# Altium PCB VCU_LAYOUT.PcbDoc (part 2 of 3) (continued)
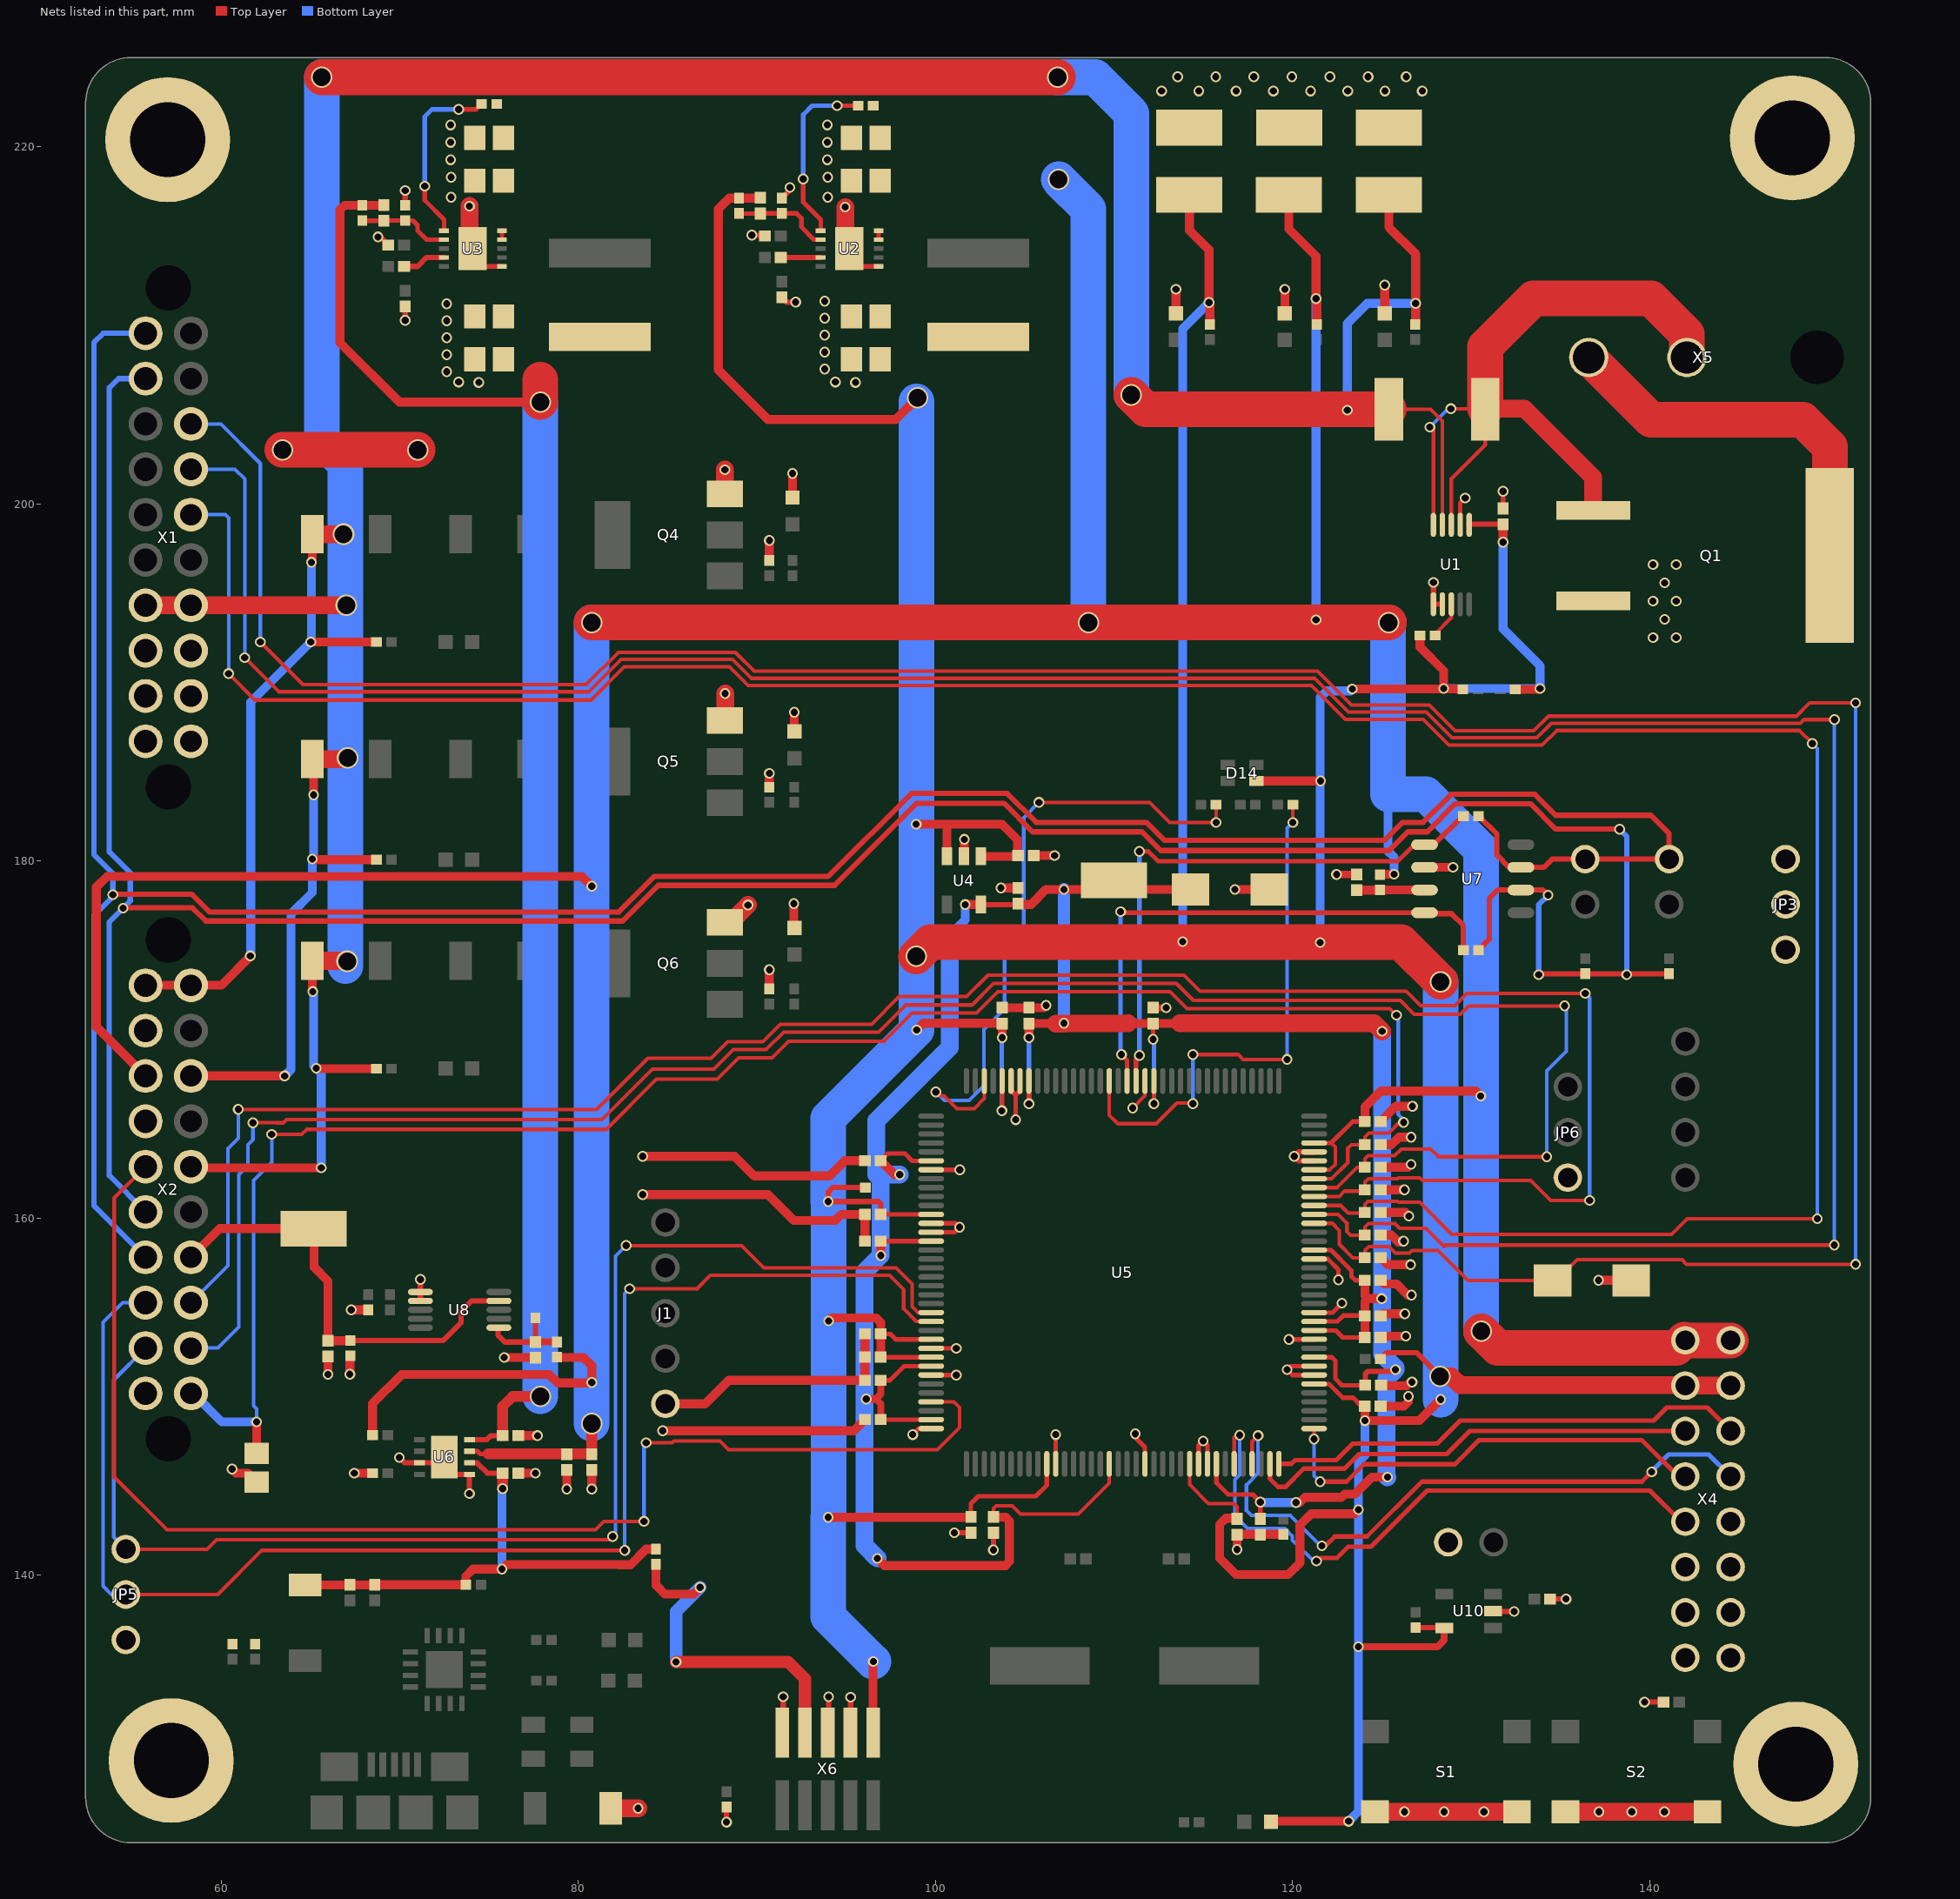
[diagram p2: the nets of this part, all layers, seen from the top]
## Nets (pads, with @x,y where several pads share a name; then routed paths per layer and width w, separated by ;. In a path a pad name is that pad's centre, name@x,y a point inside that pad or via, vN(x,y) a via of type N, cw(c..) or ccw(c..) an arc to the next point about the centre after c; other vN are vias at no path point)
12V_GND: Q1.4 X5.2 | length 21.7
  Top Layer w2: X5.2@136.6,208.2 140.1,204.7 148.6,204.7 150.1,203.2 Q1.4@150.1,197.1
12V_IN: Q1.1 R5.1 U1.8 U1.10 X5.1 | length 43.9
  Top Layer w0.2: v1(127.7,204.3) 127.9,204.1 U1.10@127.9,198.825 ; v1(128.875,205.325) 130.79,205.325 130.8,205.335 130.8,203.3 128.9,201.4 U1.8@128.9,198.825
  Top Layer w1: R5.1@130.8,205.335 132.99,205.335 136.85,201.475 Q1.1@136.85,199.64
  Top Layer w2: R5.1@130.8,205.335 130.8,208.8 133.5,211.5 140.1,211.5 142.1,209.5 X5.1@142.1,208.2
  Bottom Layer w0.2: v1(127.7,204.3) 128.735,205.335 128.745,205.325 v1(128.875,205.325)
+1V2: C5.2 C6.2 C7.2 C8.2 C9.2 C10.2 C11.2 C12.2 C13.2 C14.2 C15.2 C16.2 C17.2 D15.1 TP5.1 U4.5 U5.17 U5.29 U5.45 U5.48 U5.49 U5.57 U5.87 U5.101 U5.114 U5.123 U5.137 U5.143 | length 188.1
  Top Layer w0.2: C12.2@103.25,143.24 103.25,143.725 103.4,143.875 104.3,143.875 104.775,143.4 108,143.4 109.74,145.14 U5.17@109.74,146.22 ; C17.2@104.49,177.55 C17.2@104.6,177.66
  Top Layer w0.254: C7.2@96.94,148.7 96.945,148.695 U5.143@99.765,148.695 ; C6.2@96.94,150.9 97.45,150.9 98.245,151.695 U5.137@99.765,151.695 ; C10.2@96.94,158.7 96.945,158.695 U5.123@99.765,158.695 ; C8.2@96.94,163.2 97.34,163.6 98.3,163.6 98.705,163.195 U5.114@99.765,163.195 ; v1(105.24,166.39) U5.101@105.24,167.67 ; v1(112.2,170) C14.2@112.2,170.89 ; v1(112.24,166.4) U5.87@112.24,167.67 ; U5.29@115.74,146.22 115.74,145.16 116.4,144.5 117.775,144.5 v1(118.2,144.075) C16.2@118.2,143.24 ; U5.45@121.215,152.195 122.205,152.195 122.4,152 122.4,151 122.775,150.625 C9.2@124.085,150.625 ; U5.48@121.215,153.695 122.43,153.695 122.825,153.3 C5.2@124.06,153.3 ; U5.49@121.215,154.195 122.52,154.195 122.85,154.525 124.035,154.525 C13.2@124.06,154.5 ; U5.57@121.215,158.195 122.155,158.195 123.312,157.037 123.312,156.713 123.525,156.5 C11.2@124.06,156.5
  Top Layer w0.3: U4.5@102.55,177.55 C17.2@104.49,177.55 ; C9.2@124.085,150.625 124.085,151.26 124.225,151.4 125.675,151.4 v1(125.775,151.5)
  Top Layer w0.4: v1(96.125,149.85) 96.65,149.85 ; C7.2@96.94,148.7 96.94,149.585 96.675,149.85 96.65,149.85 ; C6.2@96.94,150.9 96.94,150.14 96.65,149.85
  Top Layer w0.5: v1(96.75,140.925) 97.15,140.525 103.925,140.525 104.15,140.75 104.15,143.015 103.925,143.24 C12.2@103.25,143.24 ; v1(96.94,157.89) C10.2@96.94,158.7 ; C8.2@96.94,163.2 97.715,162.425 v1(98,162.425) ; v1(101.675,177.55) U4.5@102.55,177.55 ; C17.2@104.6,177.56 105.36,177.56 106.2,178.4 v1(107.2,178.4) D15.1@114.3,178.4 ; v1(105.24,170.1) 105.24,170.5 ; C15.2@105.24,170.89 106.76,170.89 ; 110.8,170.899 110.809,170.89 C14.2@112.2,170.89 113.69,170.89 113.7,170.9 ; C5.2@124.06,153.3 C13.2@124.06,154.5 124.06,155.31 124.225,155.475 ; C11.2@124.06,156.5 124.06,155.64 124.225,155.475 ; v1(125,155.475) 124.225,155.475 ; v1(125.325,145.475) 124.45,145.475 123.5,144.525 122.925,144.525 122.75,144.35 120.7,144.35 v1@120.425,144.075 ; v1@120.425,144.075 120.4,144.05 v1(120.2,144.05) 120.225,144.075 v1@120.425,144.075
  Top Layer w1: 106.76,170.89 107.2,170.891 110.8,170.899 ; 113.7,170.9 124.575,170.9 v1(125.025,170.45)
  Bottom Layer w0.254: v1(105.24,166.39) v1(105.24,170.1) ; v1(112.24,166.4) v1@112.24,169.96
  Bottom Layer w0.5: 100.8,175.825 101.675,176.7 v1(101.675,177.55) ; v1(118.2,144.075) 118.225,144.05 v1(120.2,144.05)
  Bottom Layer w0.7: v1(107.2,170.9) v1(107.2,178.4)
  Bottom Layer w1: v1(96.75,140.925) 96.025,141.65 96.025,156.975 v1(96.94,157.89) 96.94,162.185 96.7,162.425 ; v1(98,162.425) 96.7,162.425 ; 100.8,175.825 100.8,169.55 96.7,165.45 96.7,162.425 ; v1(125.025,170.45) 125.025,152.35 125.775,151.6 v1(125.775,151.5) 125.275,151 125.275,145.525 v1(125.325,145.475)
+3V3: C1.2 C2.2 C19.2 C20.2 C21.2 C22.2 C23.2 C24.2 C37.2 C46.2 C47.2 C50.2 D4.1 D14.4 L1.2 R3.2 R4.2 R6.2 R7.2 R16.2 R17.2 R18.2 R32.2 R51.2 TP6.1 U1.6 U4.1 U4.3 U5.10 U5.26 U5.42 U5.104 U5.120 U5.134 U5.136 U10.5 X4.2 X4.10 X6.1 | length 387.8
  Top Layer w0.2: U5.26@114.24,146.22 114.24,145.06 115.3,144 116.725,144 116.9,143.825 C22.2@116.9,143.14
  Top Layer w0.254: C19.2@96.94,152.2 96.945,152.195 U5.136@99.765,152.195 ; C21.2@96.94,153.5 97.475,153.5 97.78,153.195 U5.134@99.765,153.195 ; C24.2@96.945,160.195 U5.120@99.765,160.195 ; C37.2@101.985,143.225 101.985,143.985 102.4,144.4 105.625,144.4 106.24,145.015 U5.10@106.24,146.22 ; v1(103.725,166) 103.74,166.015 U5.104@103.74,167.67 ; U5.42@121.215,150.695 122.055,150.695 122.825,149.925 123.4,149.925 C20.2@123.875,149.45
  Top Layer w0.3: R17.2@96.075,161.7 94.25,161.7 94,161.45 v1(94,160.913) 96.813,160.913 96.94,160.785 C24.2@96.94,160.2 C24.2@96.945,160.195 ; C20.2@123.875,149.45 C20.2@124.06,149.45 ; R16.2@124.925,152.1 125.275,152.45 126.95,152.45 v2(128.275,151.125) ; R51.2@126.9,137.05 128.475,137.05 U10.5@128.5,137.025 ; U1.6@129.9,198.825 129.935,198.86 C1.2@131.8,198.86
  Top Layer w0.4: v1(123.7,135.975) 128.125,135.975 128.5,136.35 U10.5@128.5,137.025
  Top Layer w0.5: C50.2@90.2,217.14 90.185,217.125 R32.2@89,217.125 88.45,217.125 87.85,216.525 87.85,207.5 90.625,204.725 97.775,204.725 v2(99,205.95) ; v1(94,143.225) C37.2@101.985,143.225 ; v1(94.025,154.225) 94.2,154.4 96.675,154.4 96.94,154.135 C21.2@96.94,153.5 C19.2@96.94,152.2 ; X6.1@96.51,131.16 96.51,135.135 v1(96.525,135.15) ; v1(98.925,182.05) 100.6,182.05 ; v1(98.95,170.525) 99.325,170.9 103.73,170.9 C23.2@103.74,170.89 103.74,170.49 v1(103.74,170.1) ; U4.3@100.65,180.25 100.65,182 100.6,182.05 ; U4.1@102.55,180.25 104.59,180.25 104.6,180.26 104.6,181.175 103.725,182.05 100.6,182.05 ; TP6.1@114.227,217.3 114.227,215.323 115.325,214.225 v1(115.325,211.275) 115.375,211.225 R3.2@115.375,210.05 ; C22.2@116.85,143.19 116.835,143.175 116.275,143.175 115.925,142.825 115.925,140.925 116.825,140.025 119.775,140.025 120.425,140.675 120.425,142.8 121.05,143.425 123.475,143.425 v1(123.7,143.65) ; D14.4@117.975,184.475 v1(121.575,184.475) ; D4.1@118.8,126.175 118.825,126.2 v1(123.15,126.2) ; v1(123.35,189.625) 129.525,189.625 R7.2@129.55,189.6 ; C20.2@124.06,149.45 v1(124.06,148.64) 126.46,148.64 126.45,148.65 127.125,148.65 v1(128.3,149.825) ; R4.2@127.15,192.625 127.15,191.975 128.475,190.65 v1(128.475,189.65) ; v1(131.8,197.85) C1.2@131.8,198.86 ; R6.2@132.475,189.6 133.825,189.6 v1(133.875,189.65)
  Top Layer w1: v2(128.275,151.125) 128.9,151.125 129.385,150.64 X4.2@141.96,150.64 ; X4.2@142.01,150.6 X4.10@144.55,150.6
  Top Layer w2: v2(98.925,174.65) 99.725,175.45 126.075,175.45 v2(128.3,173.225)
  Bottom Layer w0.254: v1(103.725,166) 103.725,170.015 103.775,170.065 v1(103.74,170.1)
  Bottom Layer w0.5: v1(113.85,175.475) 113.85,209.8 v1(115.325,211.275) ; v1(121.55,175.425) 121.55,189.15 121.925,189.525 123.25,189.525 v1(123.35,189.625) ; v1(123.15,126.2) 123.7,126.75 v1(123.7,135.975) v1(123.7,143.65) 123.7,146.325 124.06,146.685 v1(124.06,148.64) ; v1(128.475,189.65) v1(133.875,189.65) 133.875,190.925 131.8,193 v1(131.8,197.85)
  Bottom Layer w2: v1(96.525,135.15) 96.5,135.15 94,137.65 v1(94,143.225) 94.025,143.25 v1(94.025,154.225) 94.025,160.887 v1(94,160.913) 94,165.575 v1(98.95,170.525) v2@98.95,205.725 ; v1(128.3,149.825) v2(128.3,173.225)
+5V: C3.2 C4.2 C25.2 C43.2 C44.2 R2.2 R10.2 R21.1 R31.2 R42.2 TP2.1 U2.9 U2.10 U5.66 U5.69 U6.7 X1.9 X1.19 X2.13 X4.1 X4.9 | length 284.3
  Top Layer w0.2: U5.66@121.215,162.695 122.095,162.695 122.4,163 122.4,163.965 122.17,164.195
  Top Layer w0.254: U6.7@73.9,146.925 74.35,146.925 74.5,146.775 74.95,146.775 ; U2.9@96.825,214.8 U2.10@96.825,215.3 ; U5.69@121.215,164.195 122.17,164.195 123.375,165.4 C25.2@124.06,165.4
  Top Layer w0.5: X2.13@55.76,167.95 53,170.71 53,178.525 53.603,179.128 80.197,179.128 v1(80.75,178.575) ; R21.1@68.475,147.8 68.475,149.6 70.1,151.225 78.375,151.225 78.85,150.75 v1@80.725,150.75 ; R42.2@78.9,152.175 80.3,152.175 80.75,151.725 v1(80.75,150.775) v1@80.725,150.75 ; v1@80.738,150.75 v1@80.725,150.75 ; TP2.1@119.8,217.3 119.8,215.4 121.325,213.875 v1(121.325,211.5) 121.375,211.45 R2.2@121.375,210.05 ; C25.2@124.06,165.4 124.06,166.21 124.95,167.1 130.275,167.1 v1(130.55,166.825) ; R10.2@124.9,179.225 124.925,179.25 v1(125.7,179.25)
  Top Layer w0.6: 74.95,146.775 C3.2@80.75,146.775 ; 80.75,147.175 v2(80.75,148.475)
  Top Layer w2: v2(80.75,193.35) v2(108.575,193.35) v2(125.4,193.35) ; v2(130.575,153.65) 131.5,152.725 141.505,152.725 X4.1@141.96,153.18 ; X4.1@142.01,153.14 X4.9@144.55,153.14
  Bottom Layer w0.5: v1(121.325,193.5) v1(121.325,211.5) ; 125.35,183.725 125.35,180.55 125.7,180.2 v1(125.7,179.25)
  Bottom Layer w2: v2(80.75,148.475) v1(80.75,150.775) v1(80.75,178.575) v2(80.75,193.35) ; v2(106.9,218.175) 108.575,216.5 v2(108.575,193.35) ; v2(125.4,193.35) 125.35,193.3 125.35,183.725 127.475,183.725 130.575,180.625 v2(130.575,153.65)
+5V_BAT: C28.1 C54.2 C55.2 C58.2 L2.2 R35.2 U6.8 | length 85.5
  Top Layer w0.3: U6.8@73.9,147.575 74.875,147.575 75.1,147.8 C28.1@75.76,147.8
  Top Layer w0.5: C58.2@69.1,216.74 69.085,216.725 R35.2@67.9,216.725 66.9,216.725 66.65,216.475 66.65,209.025 69.975,205.7 v2(77.875,205.7)
  Top Layer w0.6: C28.1@75.76,147.8 75.76,149.435 76.325,150 v2(77.875,150)
  Top Layer w2: v2(77.875,205.7) 77.875,206.95
  Bottom Layer w2: v2(77.875,150) v2(77.875,205.7)
+5V_DEBUGGER: R47.1 X6.7 | length 19.4
  Top Layer w0.5: R47.1@84.35,140.6 84.35,139.425 84.85,138.925 86.45,138.925 v1(86.825,139.3)
  Top Layer w0.7: v1(85.475,135.125) 91.75,135.125 92.7,134.175 X6.7@92.7,131.16
  Bottom Layer w0.7: v1(85.475,135.125) 85.475,137.95 v1(86.825,139.3)
+5V_USB: C18.2 C27.1 C29.2 FB1.2 R20.1 R47.2 U6.6 | length 28.3
  Top Layer w0.3: U6.6@73.9,146.275 74.325,146.275 74.9,145.7 C29.2@75.76,145.7
  Top Layer w0.5: FB1.2@64.7,139.44 C18.2@67.2,139.44 C27.1@68.6,139.44 68.61,139.45 R20.1@73.7,139.45 73.7,139.925 74.1,140.325 v1(75.725,140.325) 75.975,140.575 82.263,140.575 82.267,140.571 82.933,140.571 83.404,141.042 83.404,141.054 83.8,141.45 R47.2@84.35,141.45 R47.2@84.375,141.475
  Top Layer w0.6: v1(75.76,144.835) C29.2@75.76,145.7
  Bottom Layer w0.5: v1(75.725,140.325) 75.725,144.77 75.775,144.82 v1(75.76,144.835)
+12V: C51.2 C52.2 D6.2 D8.2 D10.2 R1.2 R5.2 R24.2 R25.2 R26.2 R34.2 TP1.1 U1.9 U3.9 U3.10 X1.7 X1.17 X2.1 X2.3 X2.5 X2.11 | length 254.6
  Top Layer w0.2: R5.2@125.9,205.3 127.735,205.3 128.4,204.635 U1.9@128.4,199.36
  Top Layer w0.254: U3.9@75.725,214.8 U3.10@75.725,215.3
  Top Layer w0.5: X2.11@55.76,173.03 X2.1@58.3,173.03 60.005,173.03 v1@61.65,174.675 ; X2.5@58.3,162.87 58.37,162.8 v1(65.6,162.8) ; X2.3@58.3,167.95 v1(63.55,167.95) ; v1(65.01,192.26) R24.2@68.685,192.26 ; D10.2@65.1,174.4 65.1,172.7 v1(65.125,172.675) ; v1(65.1,180.1) 65.14,180.06 R25.2@68.685,180.06 ; v1@65.1,196.7 D6.2@65.1,198.3 ; v1(65.175,183.7) D8.2@65.175,185.7 ; v1(65.314,168.38) 65.365,168.36 R26.2@68.685,168.36 ; TP1.1@125.4,217.3 125.4,215.5 126.9,214 v1(126.9,211.225) 126.9,210.075 R1.2@126.875,210.05
  Top Layer w1: X1.17@55.76,194.315 X1.7@58.3,194.315 v2(67,194.315) ; D10.2@65.1,174.4 67.025,174.4 v2(67.05,174.375) ; D8.2@65.1,185.7 65.175,185.7 67,185.7 v2(67.075,185.775) ; D6.2@65.1,198.3 v2(66.85,198.3)
  Top Layer w2: v2(65.625,223.9) v2(106.85,223.9) ; v2(110.975,206.1) 111.775,205.3 R5.2@125.4,205.3
  Bottom Layer w0.5: v1@61.65,174.675 61.65,188.9 v1(65.01,192.26) ; v1@63.5,167.9 v1(63.55,167.95) 63.9,168.3 63.9,177.025 65.1,178.225 v1(65.1,180.1) 65.175,180.175 v1(65.175,183.7) ; v1@65.05,192.375 v1(65.05,196.725) ; v1@65.175,172.7 65.175,168.519 v1(65.314,168.38) 65.6,168.094 v1(65.6,162.8) ; v1(123.075,205.25) 123.075,210.1 124.2,211.225 v1(126.9,211.225)
  Bottom Layer w2: v2(65.625,223.9) 65.625,203.55 66.95,202.225 v2@66.95,174.1 ; v2(106.85,223.9) 108.95,223.9 110.975,221.875 v2(110.975,206.1)
  other v1: 61.625,174.675
AD1IN_0: C33.2 D17.1 U5.60 X1.3 | length 173.4
  Top Layer w0.2: v1(62.188,192.262) 64.575,189.875 80.435,189.875 82.241,191.681 88.794,191.681 89.844,190.631 121.404,190.631 123.304,188.731 127.669,188.731 129.105,187.295 133.525,187.295 134.336,188.106 148.231,188.106 148.975,188.85 v1(151.55,188.85) ; U5.60@121.215,159.695 122.23,159.695 122.625,159.3 122.625,158.525 123.383,157.767 C33.2@124.06,157.767 124.06,158.185 124.275,158.4 125.4,158.4 125.775,158.025 126.55,158.025 126.7,158.175 128.155,158.175 129.83,156.5 D17.1@134.575,156.5 134.8,156.5 135.952,157.652 141.823,157.652 142.075,157.4 v1(151.55,157.4)
  Bottom Layer w0.2: X1.3@58.3,204.475 59.975,204.475 62.188,202.263 v1(62.188,192.262) ; v1(151.55,157.4) v1(151.55,188.85)
AD1IN_7: C35.2 U5.61 X1.4 | length 166.3
  Top Layer w0.2: v1(61.313,191.388) 63.228,189.472 80.602,189.472 82.408,191.278 88.627,191.278 89.677,190.228 121.237,190.228 123.137,188.328 127.502,188.328 128.938,186.892 133.692,186.892 134.503,187.703 148.45,187.703 148.659,187.912 v1(150.362,187.912) ; U5.61@121.215,160.195 122.555,160.195 123.05,159.7 123.05,159.25 123.267,159.033 C35.2@124.06,159.033 124.06,159.485 124.25,159.675 125.75,159.675 126,159.425 127.475,159.425 128.5,158.4 128.575,158.475 v1(150.35,158.475)
  Bottom Layer w0.2: X1.4@58.3,201.935 60.765,201.935 61.313,201.387 v1(61.313,191.388) ; v1(150.35,158.475) v1@150.35,187.775
AD1IN_18: C41.2 U5.62 X1.5 | length 160.2
  Top Layer w0.2: v1(60.413,190.488) 61.893,189.007 80.707,189.007 82.575,190.875 88.46,190.875 89.51,189.825 121.07,189.825 122.97,187.925 127.335,187.925 128.771,186.489 133.989,186.489 134.8,187.3 148.4,187.3 v1(149.125,186.575) ; U5.62@121.215,160.695 122.705,160.695 123.125,160.275 124.035,160.275 C41.2@124.06,160.3 124.06,160.76 124.225,160.925 125.9,160.925 125.95,160.875 127.125,160.875 128.925,159.075 141.235,159.075 142.11,159.95 v1(149.4,159.95)
  Bottom Layer w0.2: X1.5@58.3,199.395 60.23,199.395 60.413,199.212 v1(60.413,190.488) ; v1(149.125,186.575) 149.4,186.3 v1(149.4,159.95)
AD1IN_19: C42.2 U5.63 X2.8 | length 119.8
  Top Layer w0.2: v1(60.95,166.075) 81.022,166.075 83.897,168.95 87.45,168.95 88.375,169.875 90.35,169.875 91.325,170.85 96.425,170.85 97.975,172.4 101.75,172.4 102.95,173.6 113.925,173.6 114.825,172.7 126.375,172.7 127.175,171.9 129.1,171.9 129.775,172.575 v1(136.4,172.575) ; U5.63@121.215,161.195 122.62,161.195 122.925,161.5 123.993,161.5 C42.2@124.06,161.567 124.06,162.01 124.25,162.2 125.9,162.2 125.95,162.25 127.125,162.25 127.275,162.1 133.35,162.1 134.475,160.975 v1(136.65,160.975)
  Bottom Layer w0.2: X2.8@58.3,155.25 60.375,157.325 60.375,163.875 60.95,164.45 v1(60.95,166.075) ; v1(136.4,172.575) 136.65,172.325 v1(136.65,160.975)
AD1IN_20: C34.2 U5.64 X2.9 | length 115.9
  Top Layer w0.2: v1(61.775,165.325) 61.779,165.329 63.096,165.329 63.1,165.325 63.469,165.325 63.65,165.506 81.328,165.506 84.153,168.331 87.581,168.331 88.678,169.428 90.522,169.428 91.506,170.412 96.812,170.412 98.325,171.925 102.05,171.925 103.25,173.125 113.5,173.125 114.45,172.175 126.05,172.175 126.825,171.4 129.4,171.4 129.875,171.875 v1(135.25,171.875) ; U5.64@121.215,161.695 122.495,161.695 123.633,162.833 C34.2@124.06,162.833 124.06,163.31 124.225,163.475 125.725,163.475 126.1,163.85 127.75,163.85 128.175,163.425 v1(134.25,163.425)
  Bottom Layer w0.2: X2.9@58.3,152.71 59.81,152.71 60.975,153.875 60.975,162.425 61.491,162.941 61.491,164.103 61.775,164.388 v1(61.775,165.325) ; v1(134.25,163.425) 134.25,168.225 135.35,169.325 135.35,171.775 v1(135.25,171.875)
AD1IN_21: C36.2 R52.1 U5.65 X2.10 | length 102.8
  Top Layer w0.2: v1(62.825,164.675) 64.5,164.675 64.781,164.956 81.556,164.956 84.381,167.781 87.781,167.781 88.975,168.975 90.847,168.975 91.772,169.9 97.125,169.9 98.7,171.475 102.3,171.475 103.5,172.675 113.15,172.675 114.1,171.725 125.45,171.725 v1(125.825,171.35) ; U5.65@121.215,162.195 122.195,162.195 123.1,163.1 123.1,163.9 123.3,164.1 C36.2@124.06,164.1 124.06,164.535 124.275,164.75 125.4,164.75 126,165.35 v1(126.225,165.35)
  Top Layer w0.5: R52.1@61.975,146.8 v1(61.975,148.575)
  Bottom Layer w0.2: v1(61.975,148.575) 61.975,149.3 61.8,149.475 61.8,162.1 62.825,163.125 v1(62.825,164.675) ; v1(125.825,171.35) 125.925,171.25 125.925,165.795 126.225,165.495 v1(126.225,165.35)
  Bottom Layer w0.5: X2.10@58.3,150.17 58.43,150.17 60.025,148.575 v1(61.975,148.575)
ALERT: R4.1 U1.3 | length 2.1
  Top Layer w0.2: R4.1@128,192.625 128,192.725 128.9,193.625 U1.3@128.9,194.375
BLUE_LED: R41.2 U5.92 | length 29.8
  Top Layer w0.2: U5.92@109.74,167.67 109.74,165.76 110.225,165.275 112.375,165.275 113.525,166.425 v1@114.425,166.425 ; v1(114.425,169.15) 116.975,169.15 117.25,168.875 v1(119.7,168.875) ; v1(120.025,182.15) R41.2@120.025,183.15
  Bottom Layer w0.2: v1(114.425,166.4) v1(114.425,169.15) ; v1(119.7,168.875) 119.7,181.825 v1(120.025,182.15)
BMS_UART_RX: JP5.1 U5.131 X2.19 | length 75.9
  Top Layer w0.2: JP5.1@54.65,141.44 59.2,141.44 59.735,141.975 81.75,141.975 v1(81.925,142.15) ; v1(82.675,158.45) 89.15,158.45 90.4,157.2 97.8,157.2 98.7,156.3 98.7,155.025 99.03,154.695 U5.131@99.765,154.695
  Bottom Layer w0.2: JP5.1@54.65,141.44 53.975,142.115 53.975,150.925 X2.19@55.76,152.71 ; v1(81.925,142.15) 82.075,142.3 82.075,157.85 v1(82.675,158.45)
BMS_UART_TX: JP5.2 U5.132 X2.18 | length 81.7
  Top Layer w0.2: JP5.2@54.65,138.9 59.8,138.9 62.275,141.375 v1(82.6,141.375) ; v1(82.875,156.025) 86.6,156.025 86.625,156 87.4,156.775 97.425,156.775 98.225,155.975 98.225,154.9 98.93,154.195 U5.132@99.765,154.195
  Bottom Layer w0.2: JP5.2@54.65,138.9 53.85,138.9 53.375,139.375 53.375,154.15 54.475,155.25 X2.18@55.76,155.25 ; v1(82.6,141.375) 82.6,155.75 v1(82.875,156.025)
BOOTSTRAP_3V3: C45.2 U2.4 | length 2.2
  Top Layer w0.3: C45.2@91.34,213.8 U2.4@93.575,213.8
BOOTSTRAP_5V: C53.2 U3.4 | length 2.4
  Top Layer w0.3: C53.2@70.24,213.3 71,213.3 71.5,213.8 U3.4@72.475,213.8
CAN1_POWER: C32.2 R10.1 U7.3 | length 3.8
  Top Layer w0.5: C32.2@123.6,178.36 124.885,178.36 R10.1@124.9,178.375 127.39,178.375 U7.3@127.4,178.365
CAN_H1: JP1.2 JP2.2 JP3.2 R11.2 U7.7 X1.11 X2.17 | length 164
  Top Layer w0.3: v1(53.925,178.1) 53.95,178.125 58.35,178.125 59.344,177.131 82.269,177.131 84.267,179.128 94.003,179.128 98.65,183.775 104.025,183.775 105.65,182.15 111.825,182.15 112.825,181.15 125.175,181.15 126.175,182.15 127.325,182.15 128.9,183.725 133.575,183.725 134.75,182.55 140.075,182.55 141.1,181.525 JP2.2@141.1,180.1 JP1.2@136.4,180.1 134.55,180.1 134.085,179.635 U7.7@132.8,179.635 132.14,179.635 131.45,180.325 131.45,181.5 R11.2@130.437,182.513
  Bottom Layer w0.3: X2.17@55.76,157.79 52.875,160.675 52.875,176.939 53.925,177.989 v1(53.925,178.1) 53.925,179.289 52.875,180.339 52.875,209.05 53.38,209.555 X1.11@55.76,209.555
CAN_L1: JP3.1 R12.1 R13.1 R14.2 U7.6 X1.12 X2.16 | length 166.9
  Top Layer w0.3: v1(54.5,177.35) 54.519,177.369 58.394,177.369 59.136,176.628 82.478,176.628 84.475,178.625 94.354,178.625 98.954,183.225 103.844,183.225 105.444,181.625 111.575,181.625 112.625,180.575 125.425,180.575 126.475,181.625 127.55,181.625 129.125,183.2 133.325,183.2 134.75,181.775 v1(138.325,181.775) ; R14.2@130.425,175 131.025,175.6 131.025,177.9 131.49,178.365 U7.6@132.8,178.365 134.035,178.365 v1(134.325,178.075) ; v1(133.8,173.625) 133.85,173.675 R12.1@136.4,173.675 R13.1@141.1,173.675
  Bottom Layer w0.3: X2.16@55.76,160.33 53.725,162.365 53.725,176.575 v1(54.5,177.35) 54.899,177.749 54.899,179.326 53.725,180.5 53.725,206.5 54.24,207.015 X1.12@55.76,207.015 ; v1(133.8,173.625) 133.8,177.55 v1(134.325,178.075) ; v1(138.325,181.775) 138.725,181.375 v1(138.725,173.625)
DAC_OUTPUT: C38.2 R44.2 TP3.1 U8.4 X2.7 | length 24.9
  Top Layer w0.3: R44.2@67.225,153.125 72.425,153.125 73.425,154.125 73.425,154.75 74.025,155.35 U8.4@75.55,155.35
  Top Layer w0.5: X2.7@58.3,157.79 59.91,159.4 TP3.1@65.175,159.4 65.2,159.375 65.2,157.225 65.975,156.45 C38.2@65.975,153.115 R44.2@67.135,153.115
DAC_POWER: C31.2 R42.1 R48.2 U8.1 | length 5.3
  Top Layer w0.3: U8.1@75.5,153.8 75.5,153.425 75.885,153.04 C31.2@77.6,153.04 R48.2@77.6,154.4 ; R42.1@78.8,153.025 R42.1@78.9,152.925
  Top Layer w0.4: C31.2@77.6,153.04 77.61,153.05 R42.1@78.8,153.05
DCAN1_RX: R14.1 U5.90 U7.4 | length 30.5
  Top Layer w0.254: v1(110.375,177.15) 110.43,177.095 U7.4@127.4,177.095 ; v1(110.425,169.15) 110.74,168.835 U5.90@110.74,167.67
  Top Layer w0.3: U7.4@127.4,177.095 127.45,177.045 128.905,177.045 129.575,176.375 R14.1@129.575,175
  Bottom Layer w0.254: v1(110.375,177.15) 110.375,169.2 v1(110.425,169.15)
DCAN1_TX: R11.1 U5.89 U7.1 | length 32
  Top Layer w0.254: U5.89@111.24,167.67 111.24,168.915 v1(111.425,169.1) ; v1(111.425,180.525) 111.925,180.525 112.475,179.975 125.9,179.975 126.825,180.9 127.395,180.9 U7.1@127.4,180.905
  Top Layer w0.3: U7.1@127.813,180.788 R11.1@129.575,182.55
  Bottom Layer w0.254: v1(111.425,169.1) v1(111.425,180.525)
EN_3V3: R31.1 U2.1 | length 10.2
  Top Layer w0.254: v1(92.6,218.2) 92.6,216.9 93.575,215.925 U2.1@93.575,215.3 ; v1(94.5,222.3) R31.1@95.675,222.3
  Bottom Layer w0.254: v1(92.6,218.2) 92.6,221.8 93.1,222.3 v1(94.5,222.3)
EN_5V: R34.1 U3.1 | length 10.3
  Top Layer w0.254: v1(71.4,217.8) 71.4,217 72.475,215.925 U3.1@72.475,215.3 ; v1(73.3,222.1) 74.275,222.1 R34.1@74.575,222.4
  Bottom Layer w0.254: v1(71.4,217.8) 71.4,221.7 71.8,222.1 v1(73.3,222.1)
FB_3V3: C50.1 R32.1 R33.2 U2.2 | length 5.5
  Top Layer w0.254: R32.1@89,216.275 89.015,216.26 C50.1@90.2,216.26 90.215,216.275 R33.2@91.4,216.275 92.225,216.275 92.5,216 92.5,215.5 93.2,214.8 U2.2@93.575,214.8
FB_5V: C58.1 R35.1 R36.2 U3.2 | length 5.2
  Top Layer w0.254: R35.1@67.9,215.875 67.915,215.86 C58.1@69.1,215.86 69.115,215.875 R36.2@70.3,215.875 70.725,215.875 71,215.6 71,215.3 71.5,214.8 U3.2@72.475,214.8
GND: C1.1 C2.1 C3.1 C4.1 C5.1 C6.1 C7.1 C8.1 C9.1 C10.1 C11.1 C12.1 C13.1 C14.1 C15.1 C16.1 C17.1 C19.1 C20.1 C21.1 C22.1 C23.1 C24.1 C25.1 C26.1 C28.2 C29.1 C30.1 C31.1 C32.1 C33.1 C34.1 C35.1 C36.1 C37.1 C38.1 C41.1 C42.1 C43.1 C44.1 C46.1 C47.1 C48.1 C49.1 C51.1 C52.1 C54.1 C55.1 C56.1 C57.1 D1.2 D2.2 D3.2 D11.2 D12.2 D15.2 D16.2 D17.2 FB2.2 J1.5 JP3.3 JP4.2 JP5.3 JP6.3 pad. Q1.3 Q4.3 Q5.3 Q6.3 R8.1 R9.1 R15.2 R22.1 R27.1 R28.1 R29.1 R33.1 R36.1 R44.1 R50.1 R52.2 S1.1 S2.1 TP4.1 TP14.1 TP15.1 U1.1 U1.2 U1.7 U2.6 U2.11 U3.6 U3.11 U4.2 U5.11 U5.21 U5.27 U5.28 U5.43 U5.44 U5.47 U5.50 U5.56 U5.67 U5.68 U5.88 U5.102 U5.103 U5.115 U5.121 U5.122 U5.135 U5.138 U5.144 U6.3 U6.5 U6.9 U7.2 U8.6 U8.7 U10.2 X1.8 X1.10 X1.18 X1.20 X2.12 X2.14 X2.20 X4.6 X4.7 X4.8 X4.13 X4.14 X4.15 X4.16 X6.3 X6.5 X6.9 | length 211.5
  Top Layer w0.2: v1(111.05,166.15) 111.74,166.84 U5.88@111.74,167.67
  Top Layer w0.254: U3.11@74.075,214.3 74.075,213.9 74.675,213.3 U3.6@75.725,213.3 ; U2.11@94.95,214.525 U2.11@95.175,214.3 95.175,213.775 95.65,213.3 U2.6@96.825,213.3 ; v1(98.73,147.86) 99.065,148.195 U5.144@99.765,148.195 ; U5.138@99.765,151.195 v1(101.175,151.195) ; U5.135@99.765,152.695 v1(101.175,152.695) ; U5.122@99.765,159.195 101.07,159.195 v1(101.35,159.475) 101.13,159.695 U5.121@99.765,159.695 ; U5.115@99.765,162.695 v1(101.37,162.695) ; U5.103@104.24,167.67 104.24,167.135 104.5,166.875 ; v1(104.5,165.5) 104.5,166.875 ; U5.102@104.74,167.67 104.74,167.115 104.5,166.875 ; U5.11@106.74,146.22 v1(106.74,147.86) ; v1(111.2,147.9) 111.2,147.7 111.74,147.16 U5.21@111.74,146.22 ; U5.27@114.74,146.22 114.74,147.24 v1(115,147.5) 115.24,147.26 U5.28@115.24,146.22 ; v1(119.805,153.195) U5.47@121.215,153.195 ; U5.43@121.215,151.195 120.005,151.195 v1(119.7,151.5) 119.895,151.695 U5.44@121.215,151.695 ; U5.50@121.215,154.695 122.245,154.695 v1(122.775,155.225) ; U5.56@121.215,157.695 121.98,157.695 122.575,157.1 v1(122.575,156.525) ; U1.7@129.4,198.825 129.4,200.05 v1(129.675,200.325) ; C1.1@131.8,199.74 v1(131.8,200.7)
  Top Layer w0.3: v1(68.775,214.95) 68.91,214.95 C56.1@69.36,214.5 ; v1(69.975,146.575) 70.275,146.275 U6.3@71.1,146.275 U6.9@72.175,146.275 ; v1(70.3,210.275) C57.1@70.3,211.06 ; R36.1@70.3,216.725 v1(70.3,217.55) ; U8.7@71.15,155.35 U8.6@71.15,155.85 v1(71.15,156.55) ; U6.9@72.5,146.6 72.5,146.125 73,145.625 U6.5@73.9,145.625 v1(73.9,144.55) ; v1(88.3,126.15) R8.1@88.3,127 ; v1(89.725,215.05) 90.41,215.05 C48.1@90.46,215 ; C49.1@91.4,211.56 91.66,211.3 v1(92.175,211.3) ; R33.1@91.4,217.125 91.85,217.575 v1(91.85,217.725) ; X6.9@91.43,131.16 91.475,131.205 v1(91.475,133.175) ; X6.5@93.97,131.16 94.025,131.215 v1(94.025,133.175) ; X6.3@95.24,131.16 95.25,131.17 v1(95.25,133.15) ; v1(101.06,142.36) C37.1@102,142.36 ; v1(103.25,141.4) C12.1@103.25,142.36 ; U5.67@121.215,163.195 120.355,163.195 v1(120.1,163.45) 120.345,163.695 U5.68@121.215,163.695 ; v1(127.9,195.6) U1.1@127.9,194.375 U1.2@128.4,194.375 ; U10.2@131.25,137.975 131.275,137.95 v1(132.425,137.95) ; C26.1@134.44,138.65 v1(135.325,138.65) ; v1(139.725,132.875) C30.1@140.785,132.875
  Top Layer w0.4: C14.1@112.2,171.77 v1(112.925,171.77) ; v1@122.475,179.15 122.565,179.24 C32.1@123.6,179.24
  Top Layer w0.5: v1(60.6,145.925) 60.825,145.7 61.475,145.7 R52.2@61.975,145.2 ; v1(65.975,151.225) C38.1@65.975,152.16 ; v1(67.2,151.24) R44.1@67.2,152.175 ; v1(67.275,154.85) R50.1@68.225,154.85 ; v1(67.45,145.7) R22.1@68.475,145.7 ; v1(75.85,152.175) 77.585,152.175 C31.1@77.6,152.16 ; C29.1@76.64,145.7 v1@77.475,145.7 ; C28.2@76.64,147.8 v1(77.715,147.8) ; v1(79.35,144.81) C4.1@79.35,145.885 ; v1(80.75,144.81) C3.1@80.75,145.885 ; v1(83.6,161.3) 90.625,161.3 92.075,159.85 94.375,159.85 94.725,160.2 C24.1@96.06,160.2 C10.1@96.06,158.7 ; v1(83.6,163.45) 88.75,163.45 89.85,162.35 94.075,162.35 94.925,163.2 C8.1@96.06,163.2 ; v1(84.725,148.075) 95.435,148.075 C7.1@96.06,148.7 ; J1.5@84.88,149.58 87.105,149.58 88.425,150.9 C6.1@96.06,150.9 C19.1@96.06,152.2 C21.1@96.06,153.5 ; Q5.3@88.21,187.86 Q5.3@88.225,187.875 ; Q6.3@88.4,176.65 Q6.3@88.45,176.7 ; R29.1@90.7,172.825 v1(90.7,173.9) ; R28.1@90.7,184.125 v1(90.7,184.9) ; R27.1@90.7,196.825 90.675,196.85 90.7,196.875 v1(90.7,197.95) ; D11.2@92,200.35 v1(92,201.7) ; D16.2@92.075,176.575 v1(92.075,177.6) ; D12.2@92.1,187.25 v1(92.1,188.325) ; U4.2@101.6,180.25 101.625,180.275 v1(101.625,181.205) ; v1(103.665,178.485) C17.1@104.65,178.485 ; C2.1@105.515,180.3 v1(106.675,180.3) ; v1(106.2,171.9) 106.07,171.77 C15.1@105.24,171.77 C23.1@103.88,171.77 ; D3.2@113.475,210.675 v1(113.475,212.025) ; v1(116.775,178.4) D15.2@118.7,178.4 ; v1(116.9,141.425) C22.1@116.9,142.26 116.915,142.275 R15.2@119.5,142.275 ; D2.2@119.575,210.675 v1(119.575,212.025) ; C20.1@124.94,149.45 126.25,149.45 126.5,149.7 v1(126.5,150) ; C5.1@124.94,153.3 125.015,153.375 v1(126.35,153.375) ; C13.1@124.94,154.5 125.065,154.625 v1(126.3,154.625) ; C11.1@124.94,156.5 125.14,156.3 125.825,156.3 126.45,155.675 v1(126.675,155.675) ; C33.1@124.94,157.767 125.332,157.375 v1(126.625,157.375) ; C35.1@124.94,159.033 125.55,159.033 125.933,158.65 v1@126.225,158.65 ; C41.1@124.94,160.3 126.325,160.3 v1(126.525,160.1) ; C42.1@124.94,161.567 124.948,161.575 v1(126.275,161.575) ; C34.1@124.94,162.833 126.467,162.833 126.65,163.017 v1(126.65,163) ; C36.1@124.94,164.1 125.55,164.1 125.975,164.525 v1(126.65,164.525) ; C25.1@124.94,165.4 125.79,166.25 v1(126.725,166.25) ; C9.1@124.965,150.625 124.94,150.6 126.4,150.6 126.6,150.8 v1(126.7,150.8) ; D1.2@125.175,210.675 v1(125.175,212.25) ; U7.2@127.4,179.635 v1@128.915,179.635 ; v1(137.15,156.5) D17.2@138.975,156.5 ; C23.1@103.88,171.77 103.81,171.7 C23.1@103.74,171.77 C23.1@103.88,171.77
  Top Layer w1: v1(73.9,216.675) 73.9,214.475 U3.11@74.075,214.3 ; FB2.2@81.82,126.925 v1(83.35,126.925) ; Q4.3@88.21,200.56 v1(88.21,201.91) ; Q5.3@88.225,187.875 v1(88.225,189.375) ; Q6.3@88.45,176.7 88.45,176.475 v1(89.5,177.525) ; U2.11@94.95,214.525 v1(94.95,216.625) ; S1.1@124.625,126.725 v1(126.274,126.725) v1(128.499,126.725) v1(130.725,126.725) S1.1@132.575,126.725 ; S2.1@135.3,126.725 v1(137.175,126.725) v1(139.008,126.725) v1(140.841,126.725) S2.1@143.25,126.725
  Top Layer w2: v2(63.425,203.025) v2(71,203.025)
  other v1: 77.6,145.7 126.225,158.7 122.475,179.24 129,179.635 140.2,192.5 141.5,192.5 140.85,193.525 140.2,194.55 141.5,194.55 140.85,195.575 140.2,196.6 141.5,196.6 74.425,206.8 95.525,206.8 73.3,206.825 94.4,206.825 72.625,207.4 93.8,207.55 72.625,208.35 93.8,208.5 72.625,209.3 93.8,209.45 72.625,210.25 93.8,210.4 72.625,211.2 93.8,211.35 72.875,217.175 93.975,217.175 72.875,218.3 93.975,218.3 72.85,219.275 93.95,219.275 72.85,220.25 93.95,220.25 72.85,221.225 93.95,221.225 112.673,223.127 114.759,223.127 116.844,223.127 118.93,223.127 121.016,223.127 123.102,223.127 125.187,223.127 127.273,223.127 113.573,223.927 115.706,223.927 117.84,223.927 119.973,223.927 122.106,223.927 124.24,223.927 126.373,223.927
GREEN_LED: R40.2 U5.106 | length 36.1
  Top Layer w0.2: v1(100.025,167.05) 100.225,166.85 100.475,166.85 101.2,166.125 102.175,166.125 102.74,166.69 U5.106@102.74,167.67 ; v1(105.8,183.275) 112,183.275 113.125,182.15 v1(115.725,182.15) R40.2@115.725,183.15
  Bottom Layer w0.2: v1(100.025,167.05) 100.5,166.575 101.9,166.575 102.725,167.4 102.725,170.55 103.875,171.7 103.875,174.475 104.95,175.55 104.95,182.425 v1(105.8,183.275)
HET1_4: U5.36 X4.11 | length 27.2
  Top Layer w0.254: U5.36@119.24,146.22 119.945,146.22 120.15,146.425 122.45,146.425 123.375,147.35 128.1,147.35 129.4,148.65 140.25,148.65 140.975,149.375 143.235,149.375 X4.11@144.55,148.06
HET1_5: U5.31 X4.5 | length 35.3
  Top Layer w0.2: U5.31@116.74,146.22 116.74,147.715
  Top Layer w0.254: v1(121.35,140.775) 121.35,140.675 121.619,140.944 122.494,140.944 123.125,141.575 124.4,141.575 127.55,144.725 140.025,144.725 141.77,142.98 X4.5@142.01,142.98
  Bottom Layer w0.2: v1(117.05,147.825) 117.05,145.6 116.775,145.325 116.775,143.3 117.475,142.6 119.575,142.6 120,142.175 120,141.95 121.35,140.6 v1(121.35,140.775)
HET1_7: U5.33 X4.12 | length 36.9
  Top Layer w0.2: U5.33@117.74,146.22 117.74,147.465 v1(118.075,147.8)
  Top Layer w0.254: v1(121.65,141.625) 121.85,141.625 122.375,142.15 124.175,142.15 127.25,145.225 139.575,145.225 v1(140.125,145.775)
  Bottom Layer w0.2: v1(118.075,147.8) 118.075,145.7 117.425,145.05 117.425,143.6 117.7,143.325 119.875,143.325 121.65,141.55 v1(121.65,141.625)
  Bottom Layer w0.254: v1(140.125,145.775) 140.125,145.8 141.075,146.75 143.32,146.75 X4.12@144.55,145.52
HET1_9: U5.35 X4.3 | length 25.6
  Top Layer w0.254: U5.35@118.74,146.22 118.74,145.385 119.2,144.925 119.6,144.925 120.625,145.95 122.925,145.95 123.75,146.775 128.65,146.775 129.935,148.06 X4.3@142.01,148.06
HET1_20: U5.141 X2.15 | length 75
  Top Layer w0.2: X2.15@55.76,162.87 54,161.11 54,145.475 56.95,142.525 80.95,142.525 81.425,143 v1(83.675,143) ; v1(83.8,147.4) 85.25,147.4 85.35,147.5 87.925,147.5 88.42,147.005 100.105,147.005 101.35,148.25 101.35,149.375 101.03,149.695 U5.141@99.765,149.695
  Bottom Layer w0.2: v1(83.675,143) 83.825,143 83.675,143.15 83.675,147.275 v1(83.8,147.4)
HET1_25: U5.37 X4.4 | length 25.4
  Top Layer w0.2: v1(121.215,147.615) U5.37@121.215,148.195
  Top Layer w0.254: v1(121.55,145.225) 123.025,145.225 124,146.2 129.1,146.2 130.45,147.55 139.575,147.55 141.605,145.52 X4.4@142.01,145.52
  Bottom Layer w0.2: v1(121.215,147.615) 121.215,145.56 v1(121.55,145.225)